# KiCad board jetson-orin-baseboard.kicad_pcb (continued)
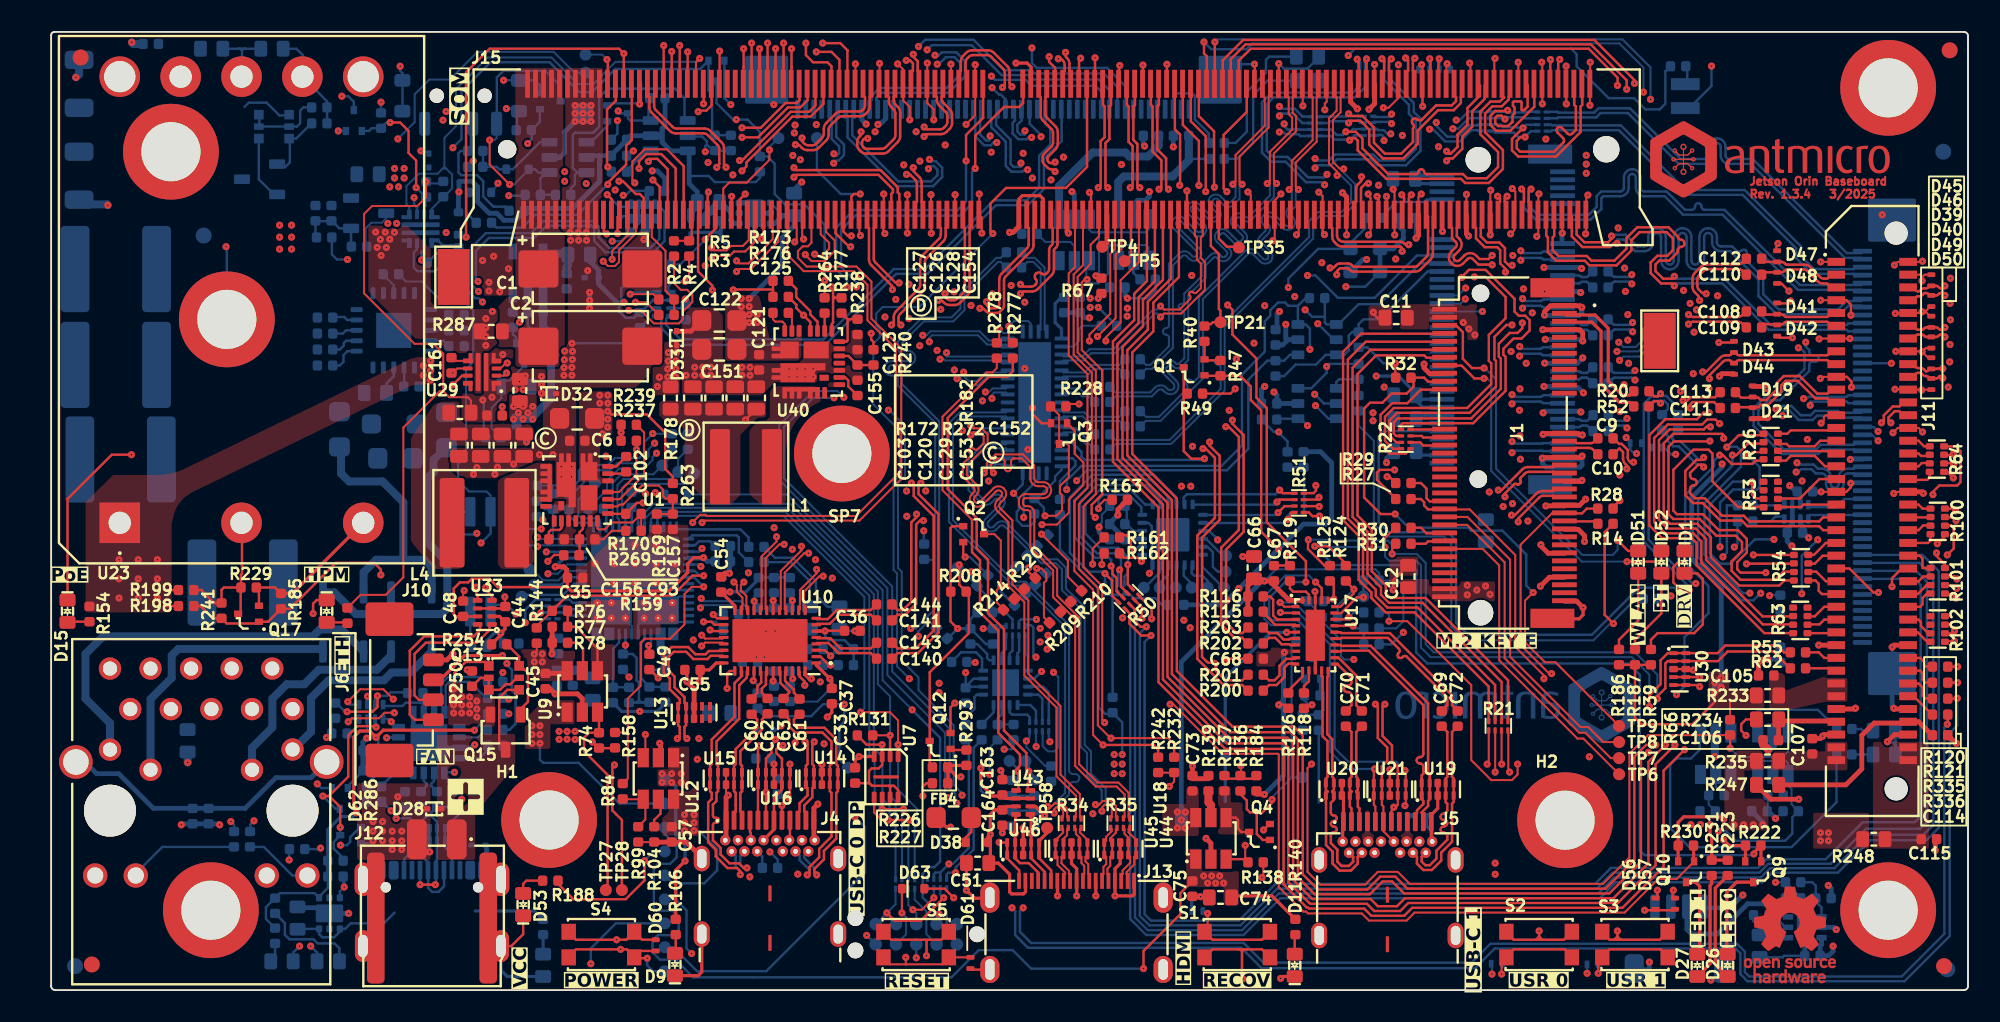
[diagram p0: board, top side]
## Placement (name value [footprint] x y rotation side) (continued)
R46  R_10k_0402  [R_0402_1005Metric]  20.23 12.75 180 bottom
R47  R_10k_0402  [R_0402_1005Metric]  73.2 38.95 270 top
R48  R_4x2k2_0201_array  [R_Array_4x0201_Panasonic_EXB18V]  78.14 30.51 90 bottom
R49  R_10k_0402  [R_0402_1005Metric]  71.6 37.35 0 top
R50  R_4x0R_0201_array  [R_Array_4x0201_Panasonic_EXB18V]  67.46 24.5 225 top
R51  R_4x0R_0201_array  [R_Array_4x0201_Panasonic_EXB18V]  78.12 30.51 270 top
R52  R_0R_0402  [R_0402_1005Metric]  99.55 36.55 180 top
R53  R_4x330R_0402_array  [R_Array_4x0402]  107.65 31.03 90 top
R54  R_4x330R_0402_array  [R_Array_4x0402]  109.55 26.45 90 top
R55  R_0R_0402  [R_0402_1005Metric]  109.35 21.15 0 top
R56  R_0R_0402  [R_0402_1005Metric]  27.8 19.3 180 bottom
R57  R_0R_0402  [R_0402_1005Metric]  27.8 16.3 180 bottom
R58  R_0R_0402  [R_0402_1005Metric]  27.8 18.3 180 bottom  (not fitted)
R59  R_0R_0402  [R_0402_1005Metric]  27.8 15.3 180 bottom  (not fitted)
R60  R_10k_0402  [R_0402_1005Metric]  79.35 16.75 270 bottom  (not fitted)
R61  R_200k_0402  [R_0402_1005Metric]  78.95 18.45 0 bottom
R62  R_0R_0402  [R_0402_1005Metric]  109.35 20.15 0 top
R63  R_4x330R_0402_array  [R_Array_4x0402]  109.5 23.15 90 top
R64  R_4x330R_0402_array  [R_Array_4x0402]  118.05 33.25 270 top
R65  R_0R_0402  [R_0402_1005Metric]  34.09 30.15 0 bottom
R66  R_10k_0402  [R_0402_1005Metric]  105.1 16.45 270 top
R67  R_10k_0402  [R_0402_1005Metric]  65.75 44.1 90 top
R68  R_200R_0402  [R_0402_1005Metric]  44.15 27.75 0 bottom
R69  R_200R_0402  [R_0402_1005Metric]  44.15 26.8 0 bottom
R70  R_0R_0402  [R_0402_1005Metric]  29.39 30.13 90 bottom
R71  R_0R_0402  [R_0402_1005Metric]  30.39 30.13 90 bottom
R72  R_200R_0402  [R_0402_1005Metric]  14.02 5.28 90 bottom
R73  R_200R_0402  [R_0402_1005Metric]  14.02 3.4 90 bottom
R74  R_10k_0402  [R_0402_1005Metric]  34.3 15.64 270 top
R75  R_0R_0402  [R_0402_1005Metric]  44.22 18.12 90 bottom
R76  R_0R_0402  [R_0402_1005Metric]  31.85 23.75 0 top
R77  R_10k_0402  [R_0402_1005Metric]  31.85 22.75 0 top
R78  R_2k2_0402  [R_0402_1005Metric]  31.85 21.75 0 top
R79  R_0R_0402  [R_0402_1005Metric]  42.55 22.55 0 bottom  (not fitted)
R80  R_4k7_0402  [R_0402_1005Metric]  38.35 45.45 180 bottom
R81  R_4k7_0402  [R_0402_1005Metric]  39.85 34.35 270 bottom
R82  R_0R_0402  [R_0402_1005Metric]  42.55 23.55 0 bottom  (not fitted)
R83  R_10k_0402  [R_0402_1005Metric]  62.6 13.55 270 bottom
R84  R_0R_0402  [R_0402_1005Metric]  35.78 12.45 270 top
R85  R_1k_0402  [R_0402_1005Metric]  44.3 25.35 90 bottom  (not fitted)
R86  R_1k_0402  [R_0402_1005Metric]  44.25 23.45 270 bottom
R87  R_1k_0402  [R_0402_1005Metric]  46.25 25.35 90 bottom  (not fitted)
R88  R_1k_0402  [R_0402_1005Metric]  46.25 23.45 270 bottom  (not fitted)
R89  R_1k_0402  [R_0402_1005Metric]  49.75 21.35 0 bottom  (not fitted)
R90  R_1k_0402  [R_0402_1005Metric]  47.85 21.35 180 bottom
R91  R_1k_0402  [R_0402_1005Metric]  45.25 25.35 90 bottom  (not fitted)
R92  R_1k_0402  [R_0402_1005Metric]  45.25 23.45 270 bottom  (not fitted)
R93  R_1k_0402  [R_0402_1005Metric]  49.75 20.35 0 bottom  (not fitted)
R94  R_1k_0402  [R_0402_1005Metric]  47.85 20.35 180 bottom
R95  R_1k_0402  [R_0402_1005Metric]  46.25 18.55 270 bottom  (not fitted)
R96  R_1k_0402  [R_0402_1005Metric]  46.25 20.45 90 bottom  (not fitted)
R97  R_1k_0402  [R_0402_1005Metric]  45.25 18.55 270 bottom  (not fitted)
R98  R_1k_0402  [R_0402_1005Metric]  45.25 20.45 90 bottom
R99  R_10k_0402  [R_0402_1005Metric]  36.75 9.75 90 top
R100  R_4x330R_0402_array  [R_Array_4x0402]  118.1 29.35 270 top
R101  R_4x330R_0402_array  [R_Array_4x0402]  118.1 25.63 270 top
R102  R_4x330R_0402_array  [R_Array_4x0402]  118.1 22.61 270 top
R103  R_4x0R_0201_array  [R_Array_4x0201_Panasonic_EXB18V]  93.33 54.39 90 bottom  (not fitted)
R104  R_2k2_0402  [R_0402_1005Metric]  37.75 9.75 90 top
R105  R_4k7_0402  [R_0402_1005Metric]  30.8 3.95 270 bottom
R106  R_4k7_0402  [R_0402_1005Metric]  39.1 3.95 90 top
R107  R_4x0R_0201_array  [R_Array_4x0201_Panasonic_EXB18V]  89.78 54.4 270 bottom
R108  R_4x0R_0201_array  [R_Array_4x0201_Panasonic_EXB18V]  82.47 54.12 90 bottom
R109  R_2M_0402  [R_0402_1005Metric]  45.48 12.75 90 bottom
R110  R_2M_0402  [R_0402_1005Metric]  45 7.65 0 bottom
R111  R_1k_0402  [R_0402_1005Metric]  22.8 18.6 180 bottom
R112  R_4x100R_0201_array  [R_Array_4x0201_Panasonic_EXB18V]  55.46 6.67 180 bottom  (not fitted)
R113  R_0R_0402  [R_0402_1005Metric]  82.65 22.65 0 bottom  (not fitted)
R114  R_0R_0402  [R_0402_1005Metric]  82.65 21.65 180 bottom  (not fitted)
R115  R_10k_0402  [R_0402_1005Metric]  75.4 23.7 0 top  (not fitted)
R116  R_10k_0402  [R_0402_1005Metric]  75.4 24.65 180 top
R117  R_27R_0402  [R_0402_1005Metric]  23.15 11.95 270 bottom
R118  R_0R_0402  [R_0402_1005Metric]  78.42 18.12 90 top
R119  R_0R_0402  [R_0402_1005Metric]  77.55 26.1 270 top
R120  R_0R_0402  [R_0402_1005Metric]  118.25 20.25 0 top  (not fitted)
R121  R_0R_0402  [R_0402_1005Metric]  118.25 19.25 0 top  (not fitted)
R122  R_4x0R_0201_array  [R_Array_4x0201_Panasonic_EXB18V]  79.13 54.09 270 bottom  (not fitted)
R123  R_1k3_0402  [R_0402_1005Metric]  17.15 41.11 0 bottom
R124  R_0R_0402  [R_0402_1005Metric]  81.05 26.1 270 top  (not fitted)
R125  R_0R_0402  [R_0402_1005Metric]  80.05 26.1 270 top  (not fitted)
R126  R_200k_0402  [R_0402_1005Metric]  77.45 18.12 270 top
R127  R_27R_0402  [R_0402_1005Metric]  24.15 11.95 270 bottom
R128  R_887k_0402  [R_0402_1005Metric]  73.5 15.25 270 bottom
R129  R_0R_0402  [R_0402_1005Metric]  17.15 42.11 180 bottom
R130  R_4k7_0402  [R_0402_1005Metric]  38.85 34.35 270 bottom
R131  R_10k_0402  [R_0402_1005Metric]  50.95 15.95 180 top
R132  R_200R_0402  [R_0402_1005Metric]  112.25 14.75 180 bottom
R133  R_200R_0402  [R_0402_1005Metric]  72.95 53.05 180 bottom
R134  R_0R_0402  [R_0402_1005Metric]  100.85 35.55 90 bottom  (not fitted)
R135  R_10k_0402  [R_0402_1005Metric]  82.65 25.65 0 bottom
R136  R_10k_0402  [R_0402_1005Metric]  74.45 12.95 270 top
R137  R_10k_0402  [R_0402_1005Metric]  73.45 12.95 90 top
R138  R_10k_0402  [R_0402_1005Metric]  75.4 8 0 top
R139  R_2k2_0402  [R_0402_1005Metric]  72.45 12.95 270 top
R140  R_470R_0402  [R_0402_1005Metric]  77.89 3.95 90 top
R141  R_0R_0402  [R_0402_1005Metric]  101.85 35.55 90 bottom  (not fitted)
R142  R_49k9_0402  [R_0402_1005Metric]  17.15 40.11 0 bottom
R143  R_0R_22.4A_0603  [R_0603_1608Metric]  89.81 28.76 270 bottom
R144  R_0R_0402  [R_0402_1005Metric]  30.4 22.2 270 top  (not fitted)
R145  R_1k2_0402  [R_0402_1005Metric]  17.15 39.11 0 bottom
R146  R_24k9_0402  [R_0402_1005Metric]  22.55 37.8 0 bottom
R147  R_200R_0402  [R_0402_1005Metric]  8.86 10.89 90 bottom
R148  R_10k_0402  [R_0402_1005Metric]  21.27 44.83 180 bottom
R149  R_10k_0402  [R_0402_1005Metric]  25.38 41.3 0 bottom  (not fitted)
R150  R_10k_0402  [R_0402_1005Metric]  25.38 42.28 0 bottom  (not fitted)
R151  R_200R_0402  [R_0402_1005Metric]  12.45 9.45 90 bottom
R152  R_200R_0402  [R_0402_1005Metric]  11.45 9.45 90 bottom
R153  R_10k_0402  [R_0402_1005Metric]  25.38 40.33 0 bottom  (not fitted)
R154  R_24k9_0402  [R_0402_1005Metric]  2.4 23.55 90 top
R155  R_1k_0402  [R_0402_1005Metric]  24.65 29.01 90 bottom
R156  R_1k_0402  [R_0402_1005Metric]  26.8 21.49 0 bottom
R157  R_0R_0603  [R_0603_1608Metric]  13.83 58.95 180 bottom  (not fitted)
R158  R_0R_0402  [R_0402_1005Metric]  35.3 15.65 270 top  (not fitted)
R159  R_499k_0402  [R_0402_1005Metric]  32.57 27.23 0 top  (not fitted)
R160  R_10k_0402  [R_0402_1005Metric]  66.22 41.6 0 bottom
R161  R_0R_0402  [R_0402_1005Metric]  66.4 28.35 180 top
R162  R_0R_0402  [R_0402_1005Metric]  66.4 27.35 180 top
R163  R_10k_0402  [R_0402_1005Metric]  66.9 30.7 180 top
R164  R_4k7_0402  [R_0402_1005Metric]  16.55 48.65 90 bottom
R165  R_4k7_0402  [R_0402_1005Metric]  17.09 47.14 180 bottom
R166  R_0R_0402  [R_0402_1005Metric]  66.45 17.85 270 bottom
R167  R_0R_0402  [R_0402_1005Metric]  66.74 29.17 180 bottom  (not fitted)
R168  R_0R_0402  [R_0402_1005Metric]  66.75 30.32 0 bottom
R169  R_2k7_0402  [R_0402_1005Metric]  37.92 29.33 90 top
R170  R_73k2_0402  [R_0402_1005Metric]  36.46 29.82 180 top
R171  R_0R_0402  [R_0402_1005Metric]  70.42 24.12 0 bottom  (not fitted)
R172  R_0R_22.4A_0603  [R_0603_1608Metric]  25.59 36.16 0 top
R173  R_499k_0402  [R_0402_1005Metric]  45.67 44.41 0 top
R174  R_0R_0402  [R_0402_1005Metric]  77.4 33.22 90 bottom
R175  R_0R_22.4A_0603  [R_0603_1608Metric]  19.84 51.09 0 bottom  (not fitted)
R176  R_499k_0402  [R_0402_1005Metric]  45.67 43.41 0 top
R177  R_45k3_0402  [R_0402_1005Metric]  49.48 42.87 90 top
R178  R_0R_22.4A_0603  [R_0603_1608Metric]  38.78 37.08 90 top
R179  R_0R_0402  [R_0402_1005Metric]  78.4 33.22 90 bottom  (not fitted)
R180  R_100k_0402  [R_0402_1005Metric]  58.3 25.65 225 bottom
R181  R_10k_0402  [R_0402_1005Metric]  27.67 34.6 180 bottom
R182  R_0R_22.4A_0603  [R_0603_1608Metric]  29.34 37.55 270 top  (not fitted)
R183  R_0R_0402  [R_0402_1005Metric]  44.37 51.72 270 bottom  (not fitted)
R184  R_1k_0402  [R_0402_1005Metric]  75.45 12.95 270 top
R185  R_100k_0402  [R_0402_1005Metric]  14.39 24.36 270 top
R186  R_200R_0402  [R_0402_1005Metric]  98.15 20.85 270 top
R187  R_200R_0402  [R_0402_1005Metric]  99.15 20.85 270 top
R188  R_10k_0402  [R_0402_1005Metric]  31.25 6.85 0 top
R189  R_10k_0402  [R_0402_1005Metric]  110.95 5.75 0 bottom
R190  R_15k_0402  [R_0402_1005Metric]  109.05 5.75 180 bottom
R191  R_200R_0402  [R_0402_1005Metric]  107.05 4.69 0 bottom
R192  R_100k_0402  [R_0402_1005Metric]  109.05 6.75 0 bottom  (not fitted)
R193  R_10k_0402  [R_0402_1005Metric]  58.95 22.15 270 bottom  (not fitted)
R194  R_10k_0402  [R_0402_1005Metric]  58.45 23.65 180 bottom  (not fitted)
R195  R_4x0R_0201_array  [R_Array_4x0201_Panasonic_EXB18V]  61.85 16.5 180 bottom
R196  R_63R4_0603  [R_0603_1608Metric]  20.3 37.4 0 bottom
R197  R_470R_0402  [R_0402_1005Metric]  112.25 16.35 180 bottom
R198  R_470k_0402  [R_0402_1005Metric]  8.45 24.05 180 top
R199  R_470k_0402  [R_0402_1005Metric]  8.45 25.05 180 top  (not fitted)
R200  R_0R_0402  [R_0402_1005Metric]  75.4 18.75 0 top
R201  R_0R_0402  [R_0402_1005Metric]  75.4 19.75 0 top
R202  R_0R_0402  [R_0402_1005Metric]  75.4 21.7 0 top
R203  R_0R_0402  [R_0402_1005Metric]  75.4 22.7 0 top
R204  R_4x0R_0201_array  [R_Array_4x0201_Panasonic_EXB18V]  53.46 6.64 180 bottom
R205  R_100k_0402  [R_0402_1005Metric]  54.65 27.45 90 bottom
R206  R_470R_0402  [R_0402_1005Metric]  72.95 52.05 180 bottom
R207  R_100k_0402  [R_0402_1005Metric]  55.75 22.35 315 bottom
R208  R_2k2_0402  [R_0402_1005Metric]  56.8 24.95 180 top  (not fitted)
R209  R_499R_0402  [R_0402_1005Metric]  62.84 23.34 45 top
R210  R_499R_0402  [R_0402_1005Metric]  64.17 24.67 225 top
R211  R_10k_0402  [R_0402_1005Metric]  63.15 30.25 270 bottom
R212  R_499R_0402  [R_0402_1005Metric]  62.06 28.16 225 bottom
R213  R_499R_0402  [R_0402_1005Metric]  60.74 26.84 45 bottom
R214  R_499R_0402  [R_0402_1005Metric]  59.95 24.15 45 top
R215  R_0R_0402  [R_0402_1005Metric]  57.25 16.15 90 bottom
R216  R_0R_0402  [R_0402_1005Metric]  58.25 16.15 90 bottom
R217  R_0R_0402  [R_0402_1005Metric]  57.55 22.15 270 bottom
R218  R_0R_0402  [R_0402_1005Metric]  56.85 20.55 180 bottom
R219  R_10k_0402  [R_0402_1005Metric]  59.25 16.15 270 bottom
R220  R_499R_0402  [R_0402_1005Metric]  61.27 25.47 225 top
R221  R_499R_0402  [R_0402_1005Metric]  61.96 25.76 225 bottom
R222  R_100k_0402  [R_0402_1005Metric]  106.55 9.05 0 top
R223  R_200R_0402  [R_0402_1005Metric]  104.95 7.65 90 top
R224  R_499R_0402  [R_0402_1005Metric]  60.64 24.44 45 bottom
R225  R_0R_0402  [R_0402_1005Metric]  61.55 30.3 90 bottom
R226  R_0R_0402  [R_0402_1005Metric]  55.65 13.95 0 top
R227  R_2k2_0402  [R_0402_1005Metric]  55.65 12.95 0 top
R228  R_10k_0402  [R_0402_1005Metric]  63.05 36.55 0 top  (not fitted)
R229  R_100k_0402  [R_0402_1005Metric]  12.37 25.21 180 top  (not fitted)
R230  R_100k_0402  [R_0402_1005Metric]  102.34 9.05 0 top
R231  R_200R_0402  [R_0402_1005Metric]  103.95 7.65 90 top
R232  R_10k_0402  [R_0402_1005Metric]  70.3 14.1 270 top
R233  R_0R_22.4A_0603  [R_0603_1608Metric]  107.45 18.45 0 top
R234  R_0R_0603  [R_0603_1608Metric]  107.45 16.95 0 top  (not fitted)
R235  R_0R_22.4A_0603  [R_0603_1608Metric]  107.45 14.35 180 top
R236  R_200R_0402  [R_0402_1005Metric]  27.09 48.05 0 bottom
R237  R_499k_0402  [R_0402_1005Metric]  36.16 34.4 0 top
R238  R_10k_0402  [R_0402_1005Metric]  50.48 41.53 90 top
R239  R_499k_0402  [R_0402_1005Metric]  36.16 35.4 0 top
R240  R_499k_0402  [R_0402_1005Metric]  51.48 39.62 270 top  (not fitted)
R241  R_0R_0402  [R_0402_1005Metric]  10.66 23.76 270 top  (not fitted)
R242  R_10k_0402  [R_0402_1005Metric]  69.3 14.1 270 top
R243  R_0R_0603  [R_0603_1608Metric]  10.05 58.95 0 bottom  (not fitted)
R244  R_0R_0402  [R_0402_1005Metric]  32.42 30.59 270 bottom  (not fitted)
R245  R_0R_0402  [R_0402_1005Metric]  82.65 23.65 180 bottom  (not fitted)
R246  R_4k7_0402  [R_0402_1005Metric]  31.41 30.59 270 bottom
R247  R_0R_0603  [R_0603_1608Metric]  107.45 12.85 180 top
R248  R_0R_22.4A_0603  [R_0603_1608Metric]  114.1 9.45 0 top
R249  R_100k_0402  [R_0402_1005Metric]  29.59 53.85 0 bottom
R250  R_10k_0402  [R_0402_1005Metric]  26.35 19.5 270 top
R251  R_10k_0402  [R_0402_1005Metric]  16.79 55.28 180 bottom
R252  R_0R_22.4A_0603  [R_0603_1608Metric]  33.9 18.85 270 bottom
R253  R_0R_22.4A_0603  [R_0603_1608Metric]  41.85 17.35 180 bottom
R254  R_10k_0402  [R_0402_1005Metric]  28.05 21.65 0 top
R255  R_10k_0402  [R_0402_1005Metric]  16.79 54.28 180 bottom
R256  R_1k_0402  [R_0402_1005Metric]  29.15 48.8 0 bottom
R257  R_200k_0402  [R_0402_1005Metric]  26.55 52.55 0 bottom
R258  R_200k_0402  [R_0402_1005Metric]  32.05 49.8 0 bottom
R259  R_10k_0402  [R_0402_1005Metric]  37.95 55.85 0 bottom
R260  R_0R_0402  [R_0402_1005Metric]  35.55 51.25 180 bottom
R261  R_200k_0402  [R_0402_1005Metric]  42.55 53.05 90 bottom
R262  R_4k7_0402  [R_0402_1005Metric]  29.94 31.6 180 bottom
R263  R_20k_0402  [R_0402_1005Metric]  38.92 31.25 90 top
R264  R_0R_0402  [R_0402_1005Metric]  48.42 42.87 270 top
R265  R_200k_0402  [R_0402_1005Metric]  80.05 23.35 0 bottom
R266  R_200k_0402  [R_0402_1005Metric]  79.15 24.35 0 bottom
R267  R_1k_0402  [R_0402_1005Metric]  20.23 11.8 180 bottom
R268  R_0R_0402  [R_0402_1005Metric]  28.9 41.98 90 bottom
R269  R_10k_0402  [R_0402_1005Metric]  36.46 28.76 0 top
R270  R_100k_0402  [R_0402_1005Metric]  17.8 8.1 180 bottom
R271  R_10M_0402  [R_0402_1005Metric]  15.4 8.83 0 bottom  (not fitted)
R272  R_470k_0402  [R_0402_1005Metric]  27.76 35.98 0 top
R273  R_0R_0603  [R_0603_1608Metric]  41.15 49.35 180 bottom
R274  R_100k_0402  [R_0402_1005Metric]  23.48 50.14 90 bottom
R275  R_10k_0402  [R_0402_1005Metric]  24.55 50.16 90 bottom
R276  R_0R_0603  [R_0603_1608Metric]  33.05 46.05 0 bottom
R277  R_0R_0402  [R_0402_1005Metric]  60.2 40.05 270 top
R278  R_0R_0402  [R_0402_1005Metric]  59.2 40.05 270 top
R279  R_2k2_0402  [R_0402_1005Metric]  60.15 12.65 270 bottom  (not fitted)
R280  R_2k2_0402  [R_0402_1005Metric]  61.55 12.65 270 bottom  (not fitted)
R281  R_2k2_0402  [R_0402_1005Metric]  60.15 10.75 90 bottom  (not fitted)
R282  R_2k2_0402  [R_0402_1005Metric]  61.55 10.75 90 bottom  (not fitted)
R283  R_560R_0402  [R_0402_1005Metric]  25.33 44.5 0 bottom
R284  R_560R_0402  [R_0402_1005Metric]  24.03 45.55 0 bottom
R285  R_100k_0402  [R_0402_1005Metric]  20.65 54.45 270 bottom
R286  R_470R_0402  [R_0402_1005Metric]  18.55 23.45 90 top
R287  R_0R_22.4A_0603  [R_0603_1608Metric]  27.55 41.25 0 top
R293  R_0R_0402  [R_0402_1005Metric]  57.3 14.55 270 top  (not fitted)
R294  R_2k2_0402  [R_0402_1005Metric]  101.85 57.85 180 bottom
R335  R_470R_0402  [R_0402_1005Metric]  118.25 18.25 180 top
R336  R_470R_0402  [R_0402_1005Metric]  118.25 17.25 180 top
REF**  -  [OSHW-Logo_5.7x6mm_Copper]  108.85 3.45 0 top
REF**#2  -  [antmicro-logo_scaled_15mm]  108.05 51.95 0 top
REF**#3  -  [OSHW-Logo_5.7x6mm_Mask]  108.85 3.45 0 top
REF**#4  -  [antmicro-logo_scaled_15mm]  91.2 17.78 180 bottom
S1  -  [SW_KMR211NGLFS_SMD]  74.25 2.85 0 top
S2  -  [SW_KMR211NGLFS_SMD]  93.15 2.85 180 top
S3  -  [SW_KMR211NGLFS_SMD]  99.15 2.85 180 top
S4  -  [SW_KMR211NGLFS_SMD]  34.45 2.85 0 top
S5  -  [SW_KMR211NGLFS_SMD]  54.15 2.85 0 top
SP7  -  [Spacer_Drill3.7mm_H2.5mm_9774025151R]  49.5 33.6 0 top
SP8  -  [Spacer_Drill3.7mm_H2.5mm_9774025151R]  11 42 180 bottom
SW1  SW_SPDT_PCM12SMTR  [PCM12SMTR]  25.64 55.95 0 bottom
TP1  TP_0.75mm_SMD  [TP_SMD_0.75mm]  38.42 11.68 180 bottom
TP2  TP_0.75mm_SMD  [TP_SMD_0.75mm]  33.45 57.45 0 bottom
TP3  TP_0.75mm_SMD  [TP_SMD_0.75mm]  47.94 53.36 0 bottom
TP4  TP_0.75mm_SMD  [TP_SMD_0.75mm]  65.8 46.55 180 top
TP5  TP_0.75mm_SMD  [TP_SMD_0.75mm]  67.2 45.65 180 top
TP6  TP_0.75mm_SMD  [TP_SMD_0.75mm]  98.16 13.52 180 top
TP7  TP_0.75mm_SMD  [TP_SMD_0.75mm]  98.16 14.53 180 top
TP8  TP_0.75mm_SMD  [TP_SMD_0.75mm]  98.16 15.53 180 top
TP9  TP_0.75mm_SMD  [TP_SMD_0.75mm]  98.16 16.54 180 top
TP10  TP_0.75mm_SMD  [TP_SMD_0.75mm]  100.34 42.03 0 bottom
TP11  TP_0.75mm_SMD  [TP_SMD_0.75mm]  100.34 40.98 0 bottom
TP12  TP_0.75mm_SMD  [TP_SMD_0.75mm]  100.34 39.88 0 bottom
TP13  TP_0.75mm_SMD  [TP_SMD_0.75mm]  34.04 31.75 0 bottom
TP14  TP_0.75mm_SMD  [TP_SMD_0.75mm]  38.42 8.68 180 bottom
TP17  TP_0.75mm_SMD  [TP_SMD_0.75mm]  38.42 13.18 180 bottom
TP18  TP_0.75mm_SMD  [TP_SMD_0.75mm]  40.25 32.35 0 bottom
TP19  TP_0.75mm_SMD  [TP_SMD_0.75mm]  38.25 32.85 0 bottom
TP20  TP_0.75mm_SMD  [TP_SMD_0.75mm]  39.25 32.45 0 bottom
TP21  TP_0.75mm_SMD  [TP_SMD_0.75mm]  73.2 41.83 180 top
TP22  TP_0.75mm_SMD  [TP_SMD_0.75mm]  56.75 26.45 180 bottom
TP23  TP_0.75mm_SMD  [TP_SMD_0.75mm]  38.42 1.18 180 bottom
TP24  TP_0.75mm_SMD  [TP_SMD_0.75mm]  29.46 24.63 225 bottom
TP25  TP_0.75mm_SMD  [TP_SMD_0.75mm]  30.25 25.35 225 bottom
TP26  TP_0.75mm_SMD  [TP_SMD_0.75mm]  29.94 26.34 225 bottom
TP27  TP_0.75mm_SMD  [TP_SMD_0.75mm]  34.72 6.27 180 top
TP28  TP_0.75mm_SMD  [TP_SMD_0.75mm]  35.73 6.27 0 top
TP29  TP_0.75mm_SMD  [TP_SMD_0.75mm]  38.42 10.18 180 bottom
TP30  TP_0.75mm_SMD  [TP_SMD_0.75mm]  49.88 13.92 180 bottom
TP31  TP_0.75mm_SMD  [TP_SMD_0.75mm]  78.31 13.31 0 bottom
TP32  TP_0.75mm_SMD  [TP_SMD_0.75mm]  82.15 24.65 0 bottom
TP33  TP_0.75mm_SMD  [TP_SMD_0.75mm]  33.45 58.58 180 bottom
TP35  TP_0.75mm_SMD  [TP_SMD_0.75mm]  74.35 46.5 0 top
TP36  TP_0.75mm_SMD  [TP_SMD_0.75mm]  73.55 27.2 270 bottom
TP37  TP_0.75mm_SMD  [TP_SMD_0.75mm]  73.53 26.2 270 bottom
TP38  TP_0.75mm_SMD  [TP_SMD_0.75mm]  73.42 25.2 270 bottom
TP39  TP_0.75mm_SMD  [TP_SMD_0.75mm]  72.4 25.2 180 bottom
TP40  TP_0.75mm_SMD  [TP_SMD_0.75mm]  71.4 25.2 180 bottom
TP41  TP_0.75mm_SMD  [TP_SMD_0.75mm]  70.4 25.2 180 bottom
TP42  TP_0.75mm_SMD  [TP_SMD_0.75mm]  69.4 25.2 180 bottom
TP43  TP_0.75mm_SMD  [TP_SMD_0.75mm]  68.4 25.2 180 bottom
TP44  TP_0.75mm_SMD  [TP_SMD_0.75mm]  45.53 53.36 180 bottom
TP52  TP_0.75mm_SMD  [TP_SMD_0.75mm]  38.42 4.18 0 bottom
TP53  TP_0.75mm_SMD  [TP_SMD_0.75mm]  38.42 7.18 180 bottom
TP54  TP_0.75mm_SMD  [TP_SMD_0.75mm]  38.42 5.68 180 bottom
TP55  TP_0.75mm_SMD  [TP_SMD_0.75mm]  38.42 2.68 0 bottom
TP56  TP_0.75mm_SMD  [TP_SMD_0.75mm]  60 14.35 270 bottom
TP57  TP_0.75mm_SMD  [TP_SMD_0.75mm]  61 14.35 90 bottom
TP58  TP_0.75mm_SMD  [TP_SMD_0.75mm]  62.35 10.15 90 top
U1  SIC431AED-T1-GE3  [MLP44-24L_4x4x0.75mm]  32.92 31.31 270 top
U2  74LVC2G07_SOT457  [SC-74-6_1.5x2.9mm_P0.95mm]  79.25 36.73 180 bottom  (not fitted)
U3  74LVC2G07_SOT457  [SC-74-6_1.5x2.9mm_P0.95mm]  79.25 40.73 180 bottom  (not fitted)
U4  NTS0102_XSON  [XSON-8_1x1.95mm_P0.5mm]  37.05 48.76 90 bottom
U5  FT230X_QFN  [QFN-16-1EP_4x4mm_P0.65mm]  23.65 15.5 180 bottom
U6  TPS65988DHRSHR  [IC_TPS65987DDHRSHR]  36.55 25.65 90 bottom
U7  W25Q80DV_USON  [USON-8_2x3mm_P0.5mm]  52.27 13.35 270 top
U8  NCP730BMT330_WSON  [WSON-6-1EP_2x2mm_P0.65mm]  17.42 4.81 270 bottom
U9  AP22615A_TSOT26  [TSOT23-6]  33.25 18.7 90 top
U10  TUSB1046-DCIRNQ  [WQFN-40_1EP_6x3mm_Pitch0.4mm_EP4.7x2.7mm]  45 21.88 180 top
U11  TPD4E05U06QDQARQ1  [USON-10_2.5x1mm_P0.5mm]  23.65 9.75 90 bottom
U12  AP22615A_TSOT26  [TSOT23-6]  38.02 13.25 270 top
U13  TPD4E05U06QDQARQ1  [USON-10_2.5x1mm_P0.5mm]  40.25 17.38 90 top
U14  TPD4E05U06QDQARQ1  [USON-10_2.5x1mm_P0.5mm]  48.25 13.25 90 top
U15  TPD4E05U06QDQARQ1  [USON-10_2.5x1mm_P0.5mm]  42.25 13.25 90 top
U16  TPD4E05U06QDQARQ1  [USON-10_2.5x1mm_P0.5mm]  45.25 13.25 90 top
U17  HD3SS3220RNH  [WQFN-30-1EP_4.6x2.6mm_P0.4mm]  79.14 22.2 0 top
U18  AP22615A_TSOT26  [TSOT23-6]  72.6 9.5 90 top
U19  TPD4E05U06QDQARQ1  [USON-10_2.5x1mm_P0.5mm]  86.8 12.57 90 top
U20  TPD4E05U06QDQARQ1  [USON-10_2.5x1mm_P0.5mm]  80.8 12.57 90 top
U21  TPD4E05U06QDQARQ1  [USON-10_2.5x1mm_P0.5mm]  83.8 12.57 90 top
U22  TPS2372-3RGWR  [VQFN-20_5x5x1mm_P0.65mm]  21.45 41.31 90 bottom
U23  ULS-12_5-D48N-C  [Conv_Murata_ULS-60W]  4.3 29.26 90 top
U24  AP22615A_TSOT26  [TSOT23-6]  107.78 14.8 270 bottom
U25  AP22615A_TSOT26  [TSOT23-6]  104.2 14.8 270 bottom
U26  PI4MSD5V9548AZDEX  [VQFN-24-1EP_3.8x3.8x1.0mm_P0.5mm]  70.21 28.51 270 bottom
U27  AP22615A_TSOT26  [TSOT23-6]  67.77 47 270 bottom
U28  AP22615A_TSOT26  [TSOT23-6]  64.05 46.97 270 bottom
U29  TPS259474  [VQFN-HR-10_2x2mm]  26.98 38.7 180 top
U30  TPD4E05U06QDQARQ1  [USON-10_2.5x1mm_P0.5mm]  101.95 20.1 0 top
U31  NTS0102_XSON  [XSON-8_1x1.95mm_P0.5mm]  109.25 29.95 90 bottom
U32  NTS0102_XSON  [XSON-8_1x1.95mm_P0.5mm]  38.35 42.95 0 bottom
U33  NTS0102_XSON  [XSON-8_1x1.95mm_P0.5mm]  27.15 23.65 180 top
U34  PCAL6408A_VQFN  [VQFN-16-1EP_3x3mm_P0.5mm_EP1.68x1.68mm]  59.75 19.25 270 bottom
U35  AP22653_DFN  [DFN-6-1EP_2x2mm_P0.65mm_EP1x1.6mm]  109.78 3.93 0 bottom
U36  TS3DV642RUARQ1  [WQFN-42-1EP_3.5x9mm_P0.5mm]  61.57 36.8 180 bottom
U37  74LVC2G14_SOT457  [SOT-23-6]  32.3 52.15 90 bottom
U38  74LVC1G175_SOT457  [SOT-23-6]  38.75 53.5 270 bottom
U39  ACPL-217-500E  [SOIC-4_4.55x2.6mm_P1.27mm]  26.88 26.83 90 bottom
U40  SIC431AED-T1-GE3  [MLP44-24L_4x4x0.75mm]  47.4 39.33 0 top
U41  NCP730BMT330_WSON  [WSON-6-1EP_2x2mm_P0.65mm]  44.05 48.65 0 bottom
U42  TPS7A0518P_SOT23-5  [SOT-23-5]  29.85 44.9 90 bottom
U43  NTS0102_XSON  [XSON-8_1x1.95mm_P0.5mm]  60.85 11.75 180 top
U44  TPD4E05U06QDQARQ1  [USON-10_2.5x1mm_P0.5mm]  66.92 8.85 90 top
U45  TPD4E05U06QDQARQ1  [USON-10_2.5x1mm_P0.5mm]  63.88 8.85 90 top
U46  TPD4E05U06QDQARQ1  [USON-10_2.5x1mm_P0.5mm]  60.85 8.85 90 top
U47  NTS0102_XSON  [XSON-8_1x1.95mm_P0.5mm]  20.03 17.43 270 bottom
U48  TPS259474  [VQFN-HR-10_2x2mm]  23.12 47.67 270 bottom
Y1  Oscillator_32.768kHz_ECS_2520MV  [Oscillator_SMD_ECS_2520MV_2.5x2mm]  82.26 45.69 90 bottom

## Library data of the parts
A2 TP5 TP7 TP13 TP18 TP52 TP53 = -: Author: Antmicro; License: Apache-2.0; Field9: Author: Antmicro; Field10: License: Apache-2.0
BT1 = -: Datasheet: https://www.sii.co.jp/en/me/datasheets/ms-rechargeable/ms621fe/; Author: Antmicro; License: Apache-2.0; MPN: MS621FE-FL11E; Manufacturer: Seiko Instruments; Field8: Author: Antmicro; Field10: License: Apache-2.0
C1 = -: Datasheet: https://content.kemet.com/datasheets/KEM_T2076_T52X-530.pdf; Description: Surface Mount Tantalum Capacitor, 100 µF, 25 V, 2917 [7343 Metric], ± 20%, 0.04 ohm; Val: 100u; MPN: T521D107M025ATE040; Manufacturer: KEMET; License: Apache-2.0; Author: Antmicro; Voltage: 25V; Dielectric: template_dielectric; Field11: License: Apache-2.0; Field12: Author: Antmicro
C2 = -: Datasheet: https://content.kemet.com/datasheets/KEM_T2076_T52X-530.pdf; Description: Surface Mount Tantalum Capacitor, 100 µF, 25 V, 2917 [7343 Metric], ± 20%, 0.04 ohm; Val: 100u; MPN: T521D107M025ATE040; Manufacturer: KEMET; License: Apache-2.0; Author: Antmicro; Voltage: 25V; Dielectric: template_dielectric; Field11: License: Apache-2.0; Field13: Author: Antmicro
C5 C152 = -: Datasheet: https://product.samsungsem.com/mlcc/CL21A226MAYNNN.do; Author: Antmicro; Dielectric: X5R; License: Apache-2.0; MPN: CL21A226MAYNNNE; Manufacturer: Samsung Electro-Mechanics; Public: False; Val: 22u; Voltage: 25V; Field12: License: Apache-2.0; Field13: Author: Antmicro
C6 C29 C31 C33 C41 C42 C61 C62 C75 C88 C101 C138 C140 = -: Datasheet: https://www.murata.com/products/productdetail?partno=GRM155R61H104KE14%23; Author: Antmicro; Dielectric: X5R; License: Apache-2.0; MPN: GRM155R61H104KE14D; Manufacturer: Murata; Val: 100n; Voltage: 50V; Field12: License: Apache-2.0; Field13: Author: Antmicro
C7 C44 C87 C90 C92 C124 C132 C135 C144 C158 C159 C164 = -: Datasheet: https://www.murata.com/products/productdetail?partno=GRM155R61H104KE14%23; Author: Antmicro; Dielectric: X5R; License: Apache-2.0; MPN: GRM155R61H104KE14D; Manufacturer: Murata; Val: 100n; Voltage: 50V; Field11: Author: Antmicro; Field12: License: Apache-2.0
C8 C43 C45 C48 C60 C63 C69 C70 C91 C96 C97 C119 C133 C141 C157 C163 = -: Datasheet: https://www.murata.com/products/productdetail?partno=GRM155R61H104KE14%23; Author: Antmicro; Dielectric: X5R; License: Apache-2.0; MPN: GRM155R61H104KE14D; Manufacturer: Murata; Val: 100n; Voltage: 50V; Field11: Author: Antmicro; Field13: License: Apache-2.0
C9 C108 C110 = -: Datasheet: https://www.yageo.com/en/Chart/Download/pdf/CC0402KRX5R6BB224; Author: Antmicro; License: Apache-2.0; MPN: CC0402KRX5R6BB224; Manufacturer: YAGEO; Val: 220n; Field11: License: Apache-2.0; Field12: Author: Antmicro
C10 C14 C18 = -: Datasheet: https://www.yageo.com/en/Chart/Download/pdf/CC0402KRX5R6BB224; Author: Antmicro; License: Apache-2.0; MPN: CC0402KRX5R6BB224; Manufacturer: YAGEO; Val: 220n; Field11: Author: Antmicro; Field12: License: Apache-2.0
C11 C21 C22 C51 C66 = -: Datasheet: https://www.murata.com/products/productdetail?partno=GRM188R61A106KE69%23; Author: Antmicro; Dielectric: template_dielectric; License: Apache-2.0; MPN: GRM188R61A106KE69D; Manufacturer: Murata; Val: 10u; Field11: Author: Antmicro; Field12: License: Apache-2.0
C12 = -: Datasheet: https://www.murata.com/products/productdetail?partno=GRM188R61A106KE69%23; Author: Antmicro; Dielectric: template_dielectric; License: Apache-2.0; MPN: GRM188R61A106KE69D; Manufacturer: Murata; Val: 10u; Field11: License: Apache-2.0; Field13: Author: Antmicro
C13 C15 = -: Datasheet: https://www.yageo.com/en/Chart/Download/pdf/CC0402KRX5R6BB224; Author: Antmicro; License: Apache-2.0; MPN: CC0402KRX5R6BB224; Manufacturer: YAGEO; Val: 220n; Field11: Author: Antmicro; Field13: License: Apache-2.0
C16 C17 C112 = -: Datasheet: https://www.yageo.com/en/Chart/Download/pdf/CC0402KRX5R6BB224; Author: Antmicro; License: Apache-2.0; MPN: CC0402KRX5R6BB224; Manufacturer: YAGEO; Val: 220n; Field12: License: Apache-2.0; Field13: Author: Antmicro
C19 C20 C109 = -: Datasheet: https://www.yageo.com/en/Chart/Download/pdf/CC0402KRX5R6BB224; Author: Antmicro; License: Apache-2.0; MPN: CC0402KRX5R6BB224; Manufacturer: YAGEO; Val: 220n; Field12: Author: Antmicro; Field13: License: Apache-2.0
C23 = -: Datasheet: https://www.murata.com/products/productdetail?partno=GRM188R61A106KE69%23; Author: Antmicro; Dielectric: template_dielectric; License: Apache-2.0; MPN: GRM188R61A106KE69D; Manufacturer: Murata; Val: 10u; Field11: Author: Antmicro; Field13: License: Apache-2.0
C24 = -: Datasheet: https://www.murata.com/products/productdetail?partno=GRM188R61A106KE69%23; Author: Antmicro; Dielectric: template_dielectric; License: Apache-2.0; MPN: GRM188R61A106KE69D; Manufacturer: Murata; Val: 10u; Field11: License: Apache-2.0; Field12: Author: Antmicro
C25 C40 C50 C54 C68 C71 C72 C78 C86 C100 C118 C121 C125 = -: Datasheet: https://www.murata.com/products/productdetail?partno=GRM155R61H104KE14%23; Author: Antmicro; Dielectric: X5R; License: Apache-2.0; MPN: GRM155R61H104KE14D; Manufacturer: Murata; Val: 100n; Voltage: 50V; Field11: License: Apache-2.0; Field12: Author: Antmicro
C26 C36 C37 C58 C65 C67 C89 C104 C111 C130 C143 = -: Datasheet: https://www.murata.com/products/productdetail?partno=GRM155R61H104KE14%23; Author: Antmicro; Dielectric: X5R; License: Apache-2.0; MPN: GRM155R61H104KE14D; Manufacturer: Murata; Val: 100n; Voltage: 50V; Field11: License: Apache-2.0; Field13: Author: Antmicro
C27 C52 C53 C55 C57 C64 C73 C102 C113 C131 C139 = -: Datasheet: https://www.murata.com/products/productdetail?partno=GRM155R61H104KE14%23; Author: Antmicro; Dielectric: X5R; License: Apache-2.0; MPN: GRM155R61H104KE14D; Manufacturer: Murata; Val: 100n; Voltage: 50V; Field12: Author: Antmicro; Field13: License: Apache-2.0
C28 C56 C83 = -: Datasheet: https://www.yageo.com/en/Chart/Download/pdf/CC0402MRX5R5BB106; Author: Antmicro; License: Apache-2.0; MPN: CC0402MRX5R5BB106; Manufacturer: YAGEO; Val: 10u; Field12: Author: Antmicro; Field13: License: Apache-2.0
C30 C49 C116 = -: Datasheet: https://www.yageo.com/en/Chart/Download/pdf/CC0402MRX5R5BB106; Author: Antmicro; License: Apache-2.0; MPN: CC0402MRX5R5BB106; Manufacturer: YAGEO; Val: 10u; Field11: License: Apache-2.0; Field12: Author: Antmicro
C32 C134 = -: Datasheet: https://product.tdk.com/en/search/capacitor/ceramic/mlcc/info?part_no=C1608X5R1E106M080AC; Author: Antmicro; License: Apache-2.0; MPN: C1608X5R1E106M080AC; Manufacturer: TDK; Val: 10u; Voltage: 25V; Field11: License: Apache-2.0; Field12: Author: Antmicro
C34 C59 = -: Datasheet: https://www.yageo.com/en/Chart/Download/pdf/CC0402MRX5R5BB106; Author: Antmicro; License: Apache-2.0; MPN: CC0402MRX5R5BB106; Manufacturer: YAGEO; Val: 10u; Field11: Author: Antmicro; Field13: License: Apache-2.0
C35 C117 C137 = -: Datasheet: https://www.yageo.com/en/Chart/Download/pdf/CC0402MRX5R5BB106; Author: Antmicro; License: Apache-2.0; MPN: CC0402MRX5R5BB106; Manufacturer: YAGEO; Val: 10u; Field11: License: Apache-2.0; Field13: Author: Antmicro
C47 C94 = -: Datasheet: https://product.tdk.com/en/search/capacitor/ceramic/mlcc/info?part_no=C1005X6S1A105K050BC; Author: Antmicro; License: Apache-2.0; MPN: C1005X6S1A105K050BC; Manufacturer: TDK; Val: 1u; Field12: Author: Antmicro; Field13: License: Apache-2.0
